# Altium PCB UmTRXv21.PcbDoc (part 10 of 19)
Units mm, origin at the board's own origin, x right, y up, seen from the top; angles counter-clockwise.
Board outline 159.5 x 99.5 mm, 6 copper layers (Top Layer, GND, MidLayer1, Mid-Layer 2, InternalPlane2, Bottom Layer), stack 1.526 mm thick; 716 components, 578 nets, 2850 pads, 1402 vias.
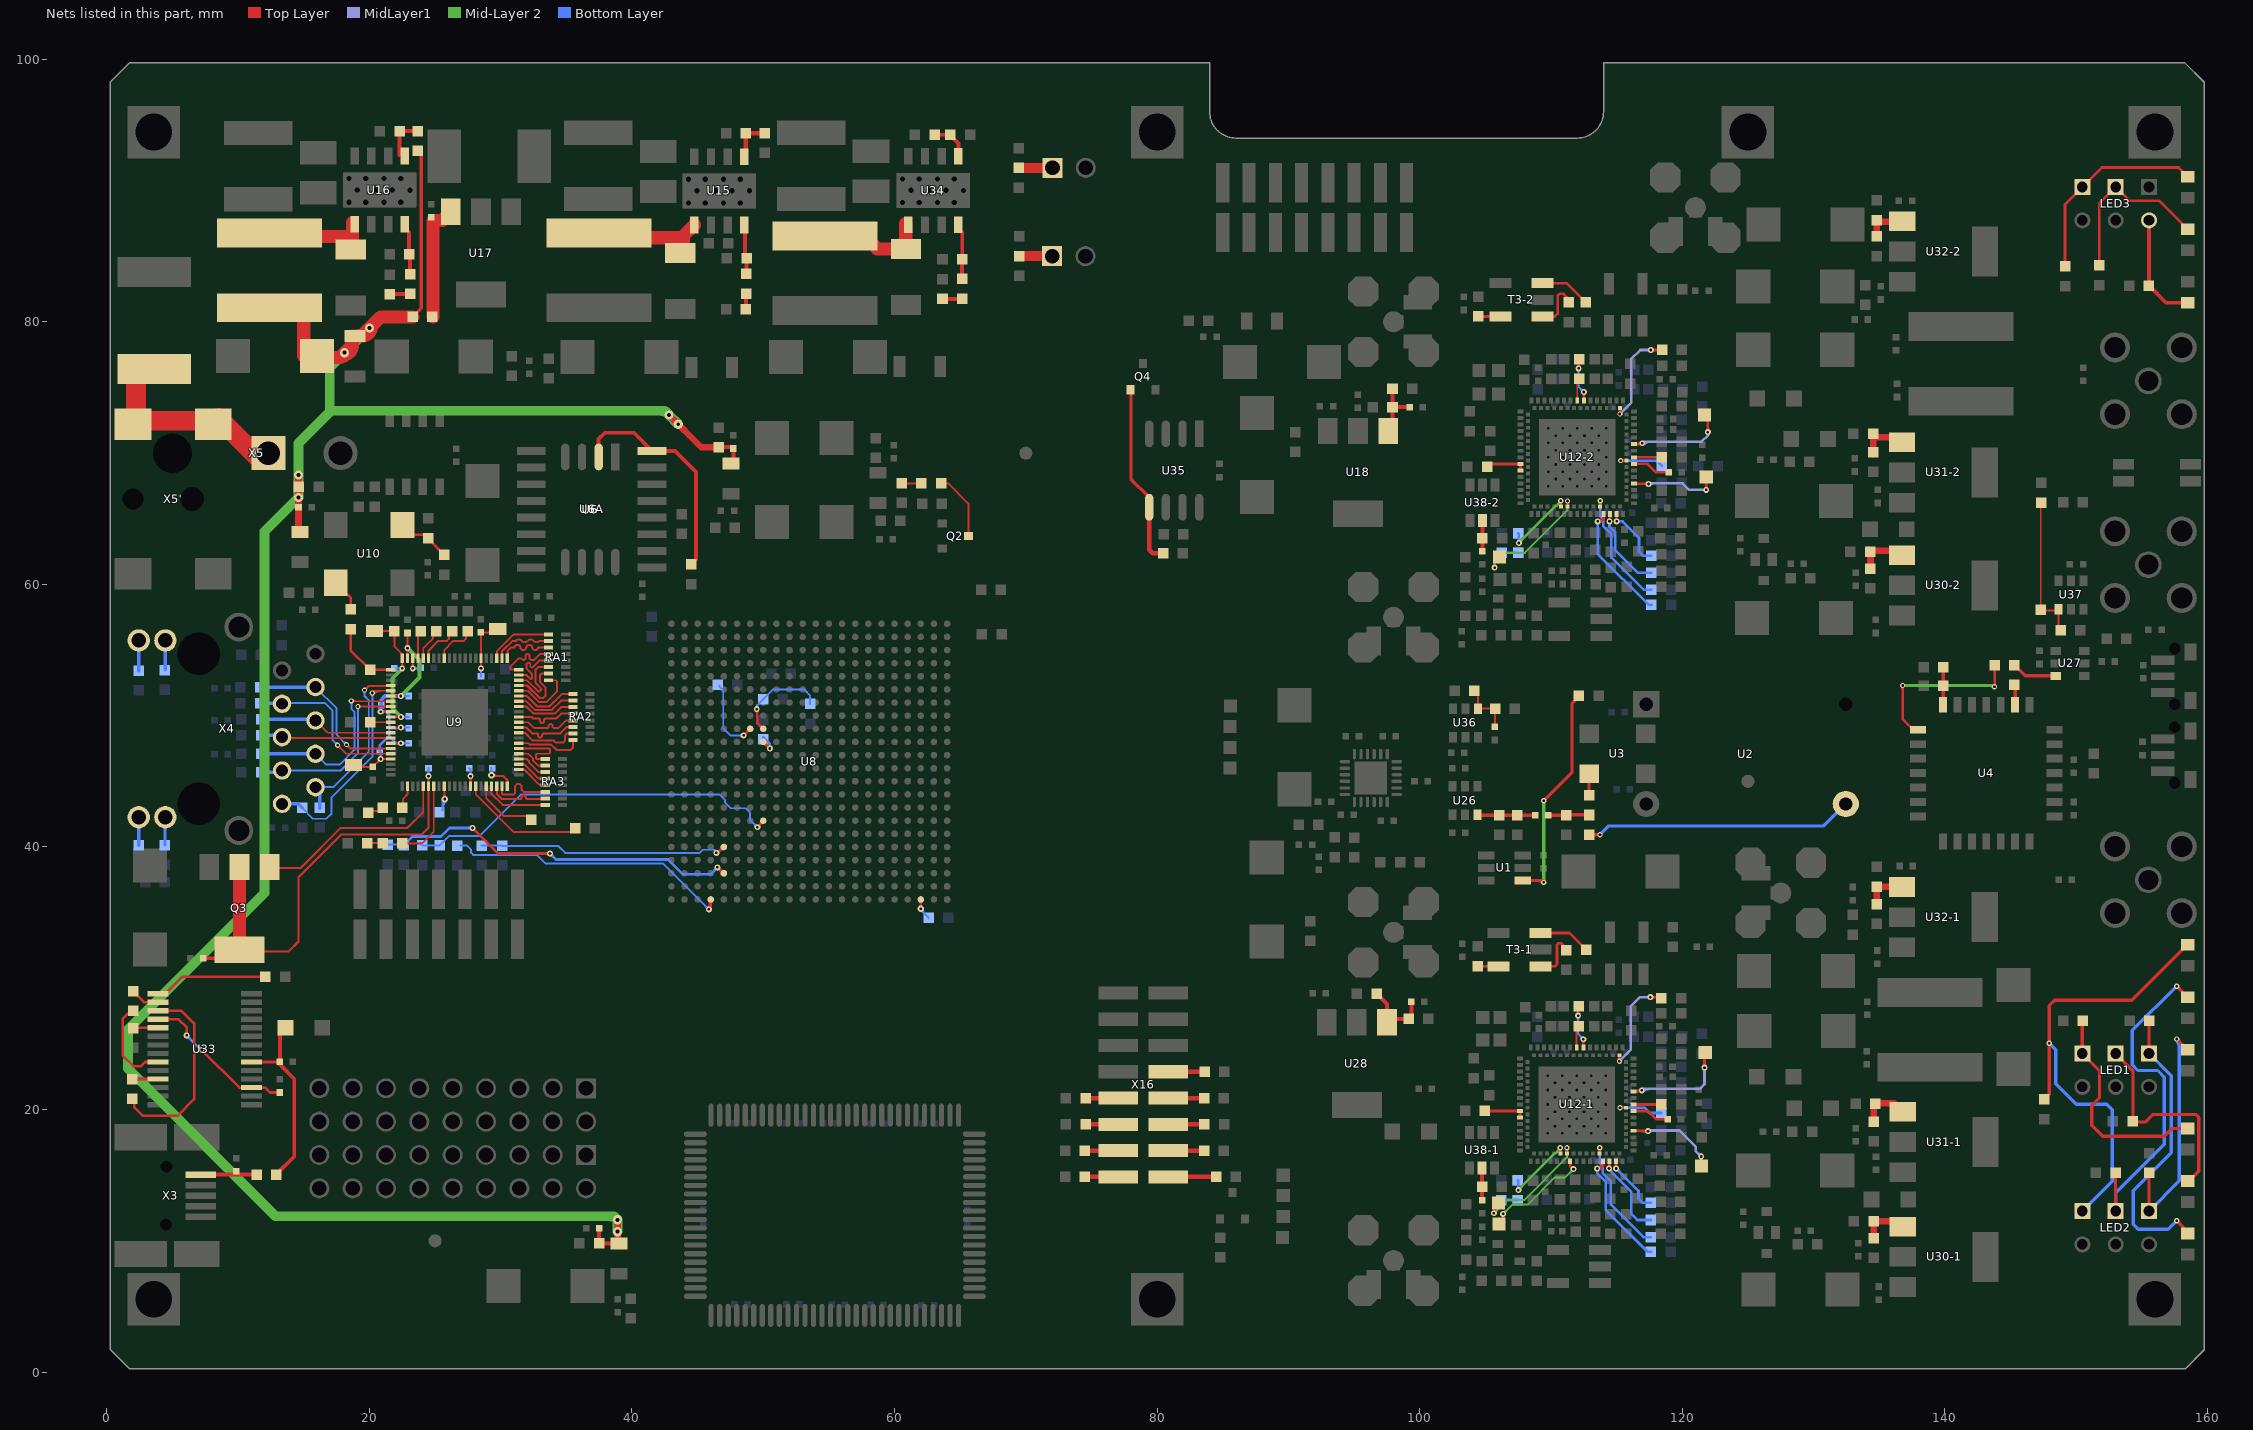
[diagram p14: the nets of this part, all layers, seen from the top]

## Via types
v1: diameter 0.45, hole 0.2, Top Layer to Bottom Layer, tented both sides, 440 vias
v2: diameter 0.5, hole 0.2, Top Layer to Bottom Layer, tented both sides, 423 vias
v3: diameter 0.7, hole 0.3, Top Layer to Bottom Layer, tented both sides, 257 vias
v4: diameter 0.4, hole 0.2, Top Layer to Bottom Layer, tented both sides, 197 vias
v5: diameter 0.8, hole 0.3, Top Layer to Bottom Layer, tented both sides, 63 vias
v6: diameter 0.6, hole 0.25, Top Layer to Bottom Layer, tented both sides, 16 vias
v7: diameter 0.6, hole 0.3, Top Layer to Bottom Layer, tented both sides, 4 vias
v8: diameter 1, hole 0.5, Top Layer to Bottom Layer, tented both sides, 2 vias

## Nets (pads, with @x,y where several pads share a name; then routed paths per layer and width w, separated by ;. In a path a pad name is that pad's centre, name@x,y a point inside that pad or via, vN(x,y) a via of type N, cw(c..) or ccw(c..) an arc to the next point about the centre after c; other vN are vias at no path point) (continued)
NetC112-1_1: C112-1.1 T3-1.4 | length 1.6
  Top Layer w0.15: C112-1.1@104.4,30.925 C112-1.1@104.42,30.905
  Top Layer w0.2: C112-1.1@104.42,30.905 T3-1.4@106,30.905
NetC112-2_1: C112-2.1 T3-2.4 | length 1.7
  Top Layer w0.2: C112-2.1@104.475,80.425 104.495,80.405 T3-2.4@106.15,80.405
NetC120_1: C120.1 R133.2 U17.3 | length 9
  Top Layer w1: R133.2@24.85,80.375 24.85,87.725 25.55,87.725 U17.3@26.2,88.375
NetC128_1: C128.1 C132.1 U15.4 | length 3.8
  Top Layer w0.3: U15.4@48.593,87.379 48.593,84.872 48.715,84.75 C132.1@48.715,83.625
NetC129_1: C129.1 C133.1 U16.4 | length 3.9
  Top Layer w0.3: U16.4@22.69,87.425 22.69,87.16 23.03,86.82 C129.1@23.03,85.15 ; C133.1@23.1,83.625 C129.1@23.1,85.12
NetC132_2: C132.2 R131.1 | length 1.2
  Top Layer w0.3: R131.1@48.675,80.95 C132.2@48.675,82.1 ; C132.2@48.725,82.15 C132.2@48.725,82.152
NetC133_2: C133.2 R132.1 | length 1.6
  Top Layer w0.3: R132.1@21.53,82.125 C133.2@23.1,82.125
NetC135_1: C135.1 R134.2 R135.1 U18.1 | length 4.7
  Top Layer w0.3: U18.1@97.925,71.425 R134.2@97.925,73.5 C135.1@99.225,73.5 ; R135.1@97.925,75 R135.1@97.925,74.9 97.925,73.75 R134.2@97.975,73.7
NetC137_1: C137.1 C140.1 C143.1 C144.1 C145.1 C151.1 C152.1 C153.1 L37.2 L41.1 L42.1 L43.1 R133.1 R137.1 | length 187.7
  Top Layer w0.25: R133.1@23.3,80.375 23.95,81.025 23.95,92.75 R137.1@23.675,93.025
  Top Layer w0.3: C145.1@37.5,10.95 C153.1@37.5,9.8 L43.1@39,9.8 ; C151.1@46.625,70.45 47.675,70.45 C143.1@47.725,70.4 ; L41.1@47.525,69.2 47.725,69.4 C143.1@47.725,70.35
  Top Layer w0.5: L42.1@14.6,64.075 v3(14.6,66.625) v3(14.6,68.325) ; v3@38.9,11.4 v3(38.9,10.7) 38.9,9.9 L43.1@39,9.8 ; v3(42.825,72.9) 45.275,70.45 C151.1@46.275,70.45
  Top Layer w1: L37.2@11.6,81.25 14.85,81.25 15,81.1 C140.1@15,77.4 ; C140.1@15.775,77.275 17.675,77.275 ccw(c17.675,77.939) v3@18.224,77.566 ; 17.557,77.275 ccw(c17.557,78.193) 18.206,77.544 ccw(c17.014,78.736) C137.1@18.7,78.736 ; v3@17.9,77.4 18.7,78.2 ; v3@18.13,77.503 ccw(c17.989,78.2) 18.7,78.2 ; C137.1@18.914,78.925 ccw(c18.914,80.611) v3@20.106,79.419 ; v3@20.146,79.489 cw(c19.425,79.667) C137.1@19.425,78.925 ; R133.1@23.3,80.375 20.875,80.375 C137.1@19.425,78.925 ; 18.7,78.2 18.7,78.925 C137.1@18.9,78.925 C137.1@19.425,78.925
  Mid-Layer 2 w0.5: v3(14.6,66.625) v3(14.6,68.325) ; 16.975,73.125 16.975,73.225 ; v3(18.1,77.65) v3@18.125,77.65
  Mid-Layer 2 w0.75: 16.975,73.125 14.6,70.75 v3(14.6,68.325) v3(14.6,66.625) 12,64.025 12,36.5 1.6,26.1 1.6,23.125 12.85,11.875 38.625,11.875 v3(38.9,11.6) v3(38.9,10.7) ; v3(18.1,77.65) 16.975,76.525 16.975,73.225 42.5,73.225 v3(42.825,72.9) v3(43.525,72.2) ; v3@18.125,77.65 v3(20,79.525) ; 38.296,11.875 cw(c38.296,10.996) v3@38.918,11.618 ; 42.101,73.225 cw(c42.101,72.176) v3@42.843,72.918
NetC146-1_2: C146-1.2 U12-1.71 | length 2.9
  Top Layer w0.2: U12-1.71@116.282,19.888 117.387,19.888 118.025,19.25 C146-1.2@118.9,19.25
NetC146-2_2: C146-2.2 U12-2.71 | length 2.9
  Top Layer w0.2: U12-2.71@116.321,69.18 117.345,69.18 117.975,68.55 C146-2.2@118.95,68.55
NetC214_2: C214.2 C236.1 C237.1 C238.1 C239.1 C240.1 C241.1 C242.1 C243.1 C244.1 C245.1 C280.1 C284.1 C285.1 C286.2 C287.2 Q3.2 Q3.4 U9.6 U9.19 U9.20 U9.27 U9.30 U9.33 U9.36 U9.39 U9.48 U9.56 U9.63 | length 81.7
  Top Layer w0.1: U9.63@30.5,44.625 U9.63@30.5,44.975
  Top Layer w0.15: Q3.4@10.1,32.85 10.9,32.05 13.85,32.05 14.6,32.8 14.6,37.7 17.85,40.95 24,40.95 24.5,41.45 U9.48@24.5,44.625 v1(24.5,45.4) ; C285.1@18.8,46.05 18.85,46.1 C287.2@20.25,46.1 v1(20.85,46.7) U9.39@21.625,46.7 ; v1@20.7,46.7 cw(c20.338,46.7) 20.594,46.444 cw(c20.85,46.188) v1@20.85,46.55 ; v1(20.85,50.3) U9.30@21.625,50.3 ; v1@20.956,46.594 cw(c21.212,46.338) 21.212,46.7 cw(c21.212,47.062) v1@20.956,46.806 ; v1@20.956,50.194 cw(c21.212,49.938) 21.212,50.3 cw(c21.212,50.662) v1@20.956,50.406 ; U9.36@21.625,47.9 v1(22.4,47.9) ; U9.33@21.625,49.1 v1(22.4,49.1) ; U9.27@21.625,51.5 v1(22.4,51.5) ; v1@22.294,47.794 ccw(c22.038,47.538) 22.038,47.9 ccw(c22.038,48.262) v1@22.294,48.006 ; v1@22.294,48.994 ccw(c22.038,48.738) 22.038,49.1 ccw(c22.038,49.462) v1@22.294,49.206 ; v1@22.294,51.394 ccw(c22.038,51.138) 22.038,51.5 ccw(c22.038,51.862) v1@22.294,51.606 ; v1@22.794,55.044 cw(c22.538,54.788) 22.9,54.788 cw(c23.262,54.788) v1@23.006,55.044 ; v1@22.794,55.256 ccw(c22.538,55.512) 22.9,55.512 ccw(c23.262,55.512) v1@23.006,55.256 ; U9.20@22.9,54.375 v1(22.9,55.15) C240.1@22.9,56.3 ; v1@23.194,53.706 ccw(c22.938,53.962) 23.3,53.962 ccw(c23.662,53.962) v1@23.406,53.706 ; v1(23.3,53.6) U9.19@23.3,54.375 ; v1@24.394,45.294 cw(c24.138,45.038) 24.5,45.038 cw(c24.862,45.038) v1@24.606,45.294 ; v1@27.594,45.294 cw(c27.338,45.038) 27.7,45.038 cw(c28.062,45.038) v1@27.806,45.294 ; U9.56@27.7,44.625 v1(27.7,45.4) ; v1@28.394,53.706 ccw(c28.138,53.962) 28.5,53.962 ccw(c28.862,53.962) v1@28.606,53.706 ; v1(28.5,53.6) U9.6@28.5,54.375 28.5,56.25 28.4,56.35 C286.2@28.475,56.35 29.4,56.35 C284.1@29.65,56.6 ; v2(29.3,45.45) 29.3,45.4 30.199,45.4 30.274,45.325 ; v2@29.424,45.326 cw(c29.602,45.148) 29.602,45.4 ; v2@29.424,45.574 ccw(c29.843,45.993) 29.843,45.4 ; 30.275,45.325 30.5,45.1 U9.63@30.5,44.975
  Top Layer w0.3: C214.2@7.35,31.525 Q3.4@8.55,31.525
  Top Layer w1: Q3.4@10.1,32.175 10.1,32.85 Q3.2@10.1,38.475
  Mid-Layer 2 w0.3: v1(22.4,51.5) 23.8,52.9 23.8,54.25 v1(22.9,55.15)
  Bottom Layer w0.15: v1@20.744,46.806 ccw(c20.488,47.062) 20.85,47.062 ccw(c21.212,47.062) v1@20.956,46.806 ; v1@20.744,50.406 ccw(c20.488,50.662) 20.85,50.662 ccw(c21.212,50.662) v1@20.956,50.406 ; C245.1@20.8,47.3 20.85,47.25 v1(20.85,46.7) ; v1(20.85,50.3) 20.85,50.75 C242.1@20.9,50.8 ; v1(22.4,47.9) C244.1@23,47.9 ; v1(22.4,49.1) C243.1@23,49.1 ; v1(22.4,51.5) C241.1@23,51.5 ; v1@22.506,47.794 cw(c22.762,47.538) 22.762,47.9 cw(c22.762,48.262) v1@22.506,48.006 ; v1@22.506,48.994 cw(c22.762,48.738) 22.762,49.1 cw(c22.762,49.462) v1@22.506,49.206 ; v1@22.506,51.394 cw(c22.762,51.138) 22.762,51.5 cw(c22.762,51.862) v1@22.506,51.606 ; v1(23.3,53.6) 23.85,53.6 C237.1@23.9,53.65 ; v1@23.406,53.494 cw(c23.662,53.238) 23.662,53.6 cw(c23.662,53.962) v1@23.406,53.706 ; v1@24.394,45.506 ccw(c24.138,45.762) 24.5,45.762 ccw(c24.862,45.762) v1@24.606,45.506 ; v1(24.5,45.4) C238.1@24.5,46 ; v1@27.594,45.506 ccw(c27.338,45.762) 27.7,45.762 ccw(c28.062,45.762) v1@27.806,45.506 ; C239.1@27.6,46 27.7,45.9 v1(27.7,45.4) ; v1@28.394,53.494 cw(c28.138,53.238) 28.5,53.238 cw(c28.862,53.238) v1@28.606,53.494 ; C236.1@28.5,53 v1(28.5,53.6) ; v2@29.176,45.574 ccw(c28.878,45.872) 29.3,45.872 ccw(c29.723,45.873) v2@29.424,45.574 ; v2(29.3,45.45) C280.1@29.3,46.05
  Bottom Layer w0.2: C245.1@20.8,47.3 20.8,47.75 21.5,48.45 ; v1(20.85,50.3) 21.25,50.3 21.5,50.05 21.5,49.05 ; v1@20.938,50.212 cw(c21.152,49.998) 21.152,50.3 cw(c21.152,50.602) v1@20.938,50.388 ; 21.978,49.05 ccw(c21.978,49.522) v1@22.312,49.188 ; v1@22.312,47.812 ccw(c22.098,47.598) 22.098,47.9 ccw(c22.098,48.202) v1@22.312,47.988 ; v1(22.4,47.9) 22.05,47.9 21.5,48.45 ; v1(22.4,49.1) 22.35,49.05 21.5,49.05 ; 21.5,48.45 21.5,49.05
  Bottom Layer w0.3: C242.1@20.9,50.8 20.9,51.2 21.2,51.5 v1(22.4,51.5)
NetC266_1: C266.1 C267.1 U34.4 | length 4.3
  Top Layer w0.3: U34.4@64.855,87.395 64.855,87.095 65.153,86.797 C266.1@65.153,84.747 ; C266.1@65.103,84.797 C266.1@65.15,84.75 C267.1@65.15,83.325
NetC267_2: C267.2 R169.1 | length 1.5
  Top Layer w0.3: R169.1@63.65,81.75 C267.2@65.15,81.75
NetC278_1: C278.1 R5.2 R8.1 U28.1 | length 5.7
  Top Layer w0.3: R8.1@96.707,28.854 97.507,28.054 U28.1@97.507,26.654 97.757,26.904 R5.2@99.157,26.904 99.357,27.104 C278.1@99.357,28.204
NetC281_1: C281.1 C282.1 C283.1 L45.2 U9.21 U9.31 | length 13.1
  Top Layer w0.15: C283.1@20.4,56.45 L45.2@21.9,56.45 21.9,55.275 22.5,54.675 U9.21@22.5,54.375 v1(22.5,53.6) ; U9.31@21.625,49.9 v1(22.4,49.9) ; v1@22.294,49.794 ccw(c22.038,49.538) 22.038,49.9 ccw(c22.038,50.262) v1@22.294,50.006 ; v1@22.394,53.706 ccw(c22.138,53.962) 22.5,53.962 ccw(c22.862,53.962) v1@22.606,53.706
  Mid-Layer 2 w0.3: v1(22.4,49.9) 21.75,50.55 21.75,52.85 v1(22.5,53.6)
  Bottom Layer w0.15: C281.1@21.9,53.6 v1(22.5,53.6) ; v1@22.394,53.494 ccw(c22.138,53.238) 22.138,53.6 ccw(c22.138,53.962) v1@22.394,53.706 ; v1(22.4,49.9) C282.1@23,49.9 ; v1@22.506,49.794 cw(c22.762,49.538) 22.762,49.9 cw(c22.762,50.262) v1@22.506,50.006
NetC289_1: C289.1 R156.2 R157.1 U26.3 | length 4.4
  Top Layer w0.25: U26.3@104.402,42.44 104.417,42.425 R156.2@106.05,42.425 R157.1@107.425,42.425 C289.1@108.8,42.425
NetC289_2: C289.2 R6.2 R7.2 R12.2 | length 3.1
  Top Layer w0.25: C289.2@109.8,42.425 R12.2@111.175,42.425 111.2,42.45 R7.2@112.9,42.45
NetC296_2: C296.2 R154.1 R155.1 U36.4 | length 4.2
  Top Layer w0.15: R154.1@104.151,51.9 104.426,51.625 U36.4@104.426,50.535 105.74,50.535 R155.1@105.75,50.525 105.75,49.175 C296.2@105.725,49.15
NetC297_2: C297.2 L46.1 X3.1 | length 4
  Top Layer w0.3: X3.1@7.4,15.05 L46.1@11.4,15.05
NetC298_1: C298.1 C299.1 L46.2 U33.20 | length 14.5
  Top Layer w0.2: U33.20@11,23.625 C299.1@13.175,23.625
  Top Layer w0.3: L46.2@12.9,15.05 14.275,16.425 14.275,22.325 13.175,23.425 C299.1@13.175,23.625 ; C299.1@13.175,23.75 13.175,25.875 C298.1@13.625,26.325
NetC300_1: C300.1 U33.4 U33.17 | length 13.7
  Top Layer w0.2: U33.4@3.9,26.875 5.475,26.875 6.075,26.275 v1(6.075,25.65) ; v1@5.987,25.738 ccw(c5.773,25.952) 6.075,25.952 ccw(c6.377,25.952) v1@6.163,25.738 ; v1@7.225,24.425 cw(c7.225,24.123) 7.438,24.337 cw(c7.652,24.55) v1@7.35,24.55 ; v1(7.225,24.55) 10.1,21.675 U33.17@11,21.675 12.05,21.675 12.425,21.3 C300.1@13.175,21.3
  Bottom Layer w0.2: v1@6.075,25.525 cw(c6.075,25.223) 6.288,25.437 cw(c6.502,25.65) v1@6.2,25.65 ; v1(6.075,25.65) 7.175,24.55 v1(7.225,24.55) ; 6.926,24.799 ccw(c7.225,25.097) v1@7.225,24.675
NetC301-1_1: C301-1.1 R176-1.2 U38-1.5 | length 2.4
  Top Layer w0.3: C301-1.1@104.75,13.1 R176-1.2@104.75,14.125 U38-1.5@104.75,15.55
NetC301-2_1: C301-2.1 R176-2.2 U38-2.5 | length 2.3
  Top Layer w0.3: C301-2.1@104.775,62.525 R176-2.2@104.775,63.525 U38-2.5@104.775,64.875
NetD1_1: D1.1 L36.1 U15.1 | length 8.7
  Top Layer w1: L36.1@37.575,86.775 37.95,86.4 43.925,86.4 ; D1.1@43.925,85.485 43.925,86.4 ; U15.1@44.745,87.37 43.925,86.55 43.925,86.4
NetD2_1: D2.1 L37.1 U16.1 | length 9.1
  Top Layer w1: L37.1@11.6,86.75 11.85,86.5 18.7,86.5 ; D2.1@18.7,85.7 18.7,86.5 ; U16.1@18.7,87.575 18.7,86.5
NetD3_1: D3.1 L35.1 U34.1 | length 8.9
  Top Layer w1: L35.1@54,86.8 54.4,86.4 57.825,86.4 58.665,85.56 60.235,85.56 60.85,86.175 U34.1@60.85,87.475
NetF1_1: F1.1 X5'.1 X5.1 | length 15.5
  Top Layer w1.5: X5'.1@2.225,72.475 X5'.1@8.5,72.475 ; X5'.1@2.225,72.675 2.225,76.275 3.725,76.275 F1.1@3.6,76.4 ; X5'.1@8.5,72.675 X5.1@11.325,69.85
NetL32-1_2: L32-1.2 T3-1.1 | length 4
  Top Layer w0.2: T3-1.1@109.2,33.445 111.405,33.445 L32-1.2@112.675,32.175
NetL32-2_2: L32-2.2 T3-2.1 | length 3.9
  Top Layer w0.2: T3-2.1@109.35,82.945 111.18,82.945 L32-2.2@112.65,81.475
NetL33-1_2: L33-1.2 T3-1.3 | length 3.8
  Top Layer w0.2: T3-1.3@109.2,30.905 110.305,30.905 110.45,31.05 110.45,32.541 110.584,32.675 110.75,32.675 L33-1.2@111.225,32.2
NetL33-2_2: L33-2.2 T3-2.3 | length 3.9
  Top Layer w0.2: T3-2.3@109.35,80.405 110.28,80.405 110.525,80.65 110.525,82 110.65,82.125 110.95,82.125 111.35,81.725 L33-2.2@111.35,81.475
NetLED1_1: LED1.1 LED1A'.1 R33.1 | length 22.5
  Top Layer w0.25: LED1.1@155.55,24.27 155.55,26.75 R33.1@155.575,26.775 ; v4(157.65,11.525) 158.5,10.675 LED1A'.1@158.5,10.55
  Bottom Layer w0.25: LED1.1@155.55,24.27 157.25,22.57 157.25,16.725 154.35,13.825 154.35,11.25 154.725,10.875 157,10.875 v4(157.65,11.525)
NetLED1_2: LED1.2 LED1B'.1 R34.1 | length 16.3
  Top Layer w0.25: LED1.2@153.01,24.27 154.325,22.955 154.325,19.05 155.275,19.05 155.85,19.625 159.1,19.625 159.325,19.4 159.325,15.3 158.575,14.55 LED1B'.1@158.5,14.55
NetLED1_3: LED1.3 LED1C'.1 R35.1 | length 16.7
  Top Layer w0.25: R35.1@150.5,26.775 150.47,26.745 LED1.3@150.47,24.27 151.775,22.965 151.775,20.9 151.175,20.3 151.175,18.8 152.005,17.97 156.695,17.97 157.275,18.55 LED1C'.1@158.5,18.55
NetLED2_1: LED2.1 LED2A'.1 R36.1 | length 19.1
  Top Layer w0.25: LED2.1@155.55,12.27 R36.1@155.55,15.175 ; v4@157.65,25.3 cw(c157.65,25.059) 157.821,25.229 ; v4(157.65,25.375) 157.675,25.375 LED2A'.1@158.5,24.55
  Bottom Layer w0.25: LED2.1@155.55,12.27 157.85,14.57 157.85,25.175 v4(157.65,25.375) ; v4@157.597,25.322 cw(c156.986,24.711) 157.85,24.711
NetLED2_2: LED2.2 LED2B'.1 R37.1 | length 26.1
  Top Layer w0.25: R37.1@153,15.175 153,12.28 LED2.2@153.01,12.27 ; v4(157.65,29.4) LED2B'.1@158.5,28.55
  Bottom Layer w0.25: LED2.2@153.01,12.27 153.01,13.66 156.7,17.35 156.7,22.475 156.2,22.975 154.7,22.975 154.275,23.4 154.275,26.025 v4(157.65,29.4)
NetLED2_3: LED2.3 LED2C'.1 R38.1 | length 36.9
  Top Layer w0.25: R38.1@147.575,20.775 147.95,21.15 v4(147.95,25.05) 147.95,27.925 148.35,28.325 154.225,28.325 158.45,32.55 LED2C'.1@158.5,32.55
  Bottom Layer w0.25: v4(147.95,25.05) 148.437,24.562 148.437,21.963 150,20.4 152.344,20.4 152.75,19.994 152.75,14.55 LED2.3@150.47,12.27
NetLED3_2: LED3.2 LED3B'.1 R13.1 | length 13.3
  Top Layer w0.2: R13.1@151.75,84.3 151.75,89.01 LED3.2@153.01,90.27 154.055,89.225 156.325,89.225 LED3B'.1@158.5,87.05
NetLED3_3: LED3.3 LED3C'.1 R162.2 | length 15.5
  Top Layer w0.2: R162.2@149.15,84.225 149.15,88.95 LED3.3@150.47,90.27 151.95,91.75 157.8,91.75 LED3C'.1@158.5,91.05
NetLED3_6: LED3.6 LED3A'.2 R1.1 | length 8.5
  Top Layer w0.3: LED3.6@155.55,87.73 155.55,82.75 156.85,81.45 LED3A'.2@158.5,81.45
NetLED4_1: LED4.1 Q2.3 | length 5.2
  Top Layer w0.15: LED4.1@63.55,67.7 64.075,67.7 65.625,66.15 Q2.3@65.625,63.675
NetLED4_2: LED4.2 R29.2 | length 1.5
  Top Layer w0.15: R29.2@60.55,67.7 LED4.2@62.05,67.7
NetLED5_1: LED5.1 R55.1 | length 1.1
  Top Layer w0.15: LED5.1@19.9,42.6 20.05,42.75 20.75,42.75 R55.1@20.9,42.9
NetLED6_1: LED6.1 R57.1 | length 1.2
  Top Layer w0.15: LED6.1@19.85,40.3 R57.1@21,40.3
NetQ3_1: Q3.1 U9.47 | length 15.5
  Top Layer w0.15: Q3.1@12.4,38.475 12.475,38.4 14.775,38.4 17.825,41.45 22.9,41.45 24.1,42.65 U9.47@24.1,44.625
NetQ4_1: Q4.1 R174.2 U35.5 | length 14.1
  Top Layer w0.25: Q4.1@78,74.85 78,68.025 79.395,66.63 U35.5@79.395,65.878
  Top Layer w0.35: U35.5@79.395,65.878 79.395,62.63 79.65,62.375 R174.2@80.6,62.375
NetR4_1: R4.1 U1.1 | length 17.6
  Top Layer w0.25: U1.1@107.835,37.449 109.301,37.449 v4(109.45,37.3) ; 108.909,37.449 cw(c108.909,36.759) v4@109.397,37.247 ; v4(109.45,43.525) 111.6,45.675 111.6,50.95 112.15,51.5 R4.1@112.125,51.525
  Mid-Layer 2 w0.25: v4(109.45,37.3) v4(109.45,43.525)
NetR6_1: R6.1 U2.8 | length 20.5
  Top Layer w0.25: R6.1@112.9,40.925 v4(113.725,40.925)
  Bottom Layer w0.25: v4(113.725,40.925) 114.4,41.6 130.775,41.6 U2.8@132.45,43.275
NetR7_1: R7.1 U3.3 | length 1.6
  Top Layer w0.25: R7.1@112.9,43.95 U3.3@112.9,45.575
NetR9_1: R9.1 U4.15 | length 14.2
  Top Layer w0.2: v4@136.704,52.229 cw(c136.534,52.059) 136.775,52.059 cw(c137.016,52.059) v4@136.846,52.229 ; v4(136.775,52.3) 136.775,49.75 137.6,48.925 U4.15@137.95,48.925 ; v4@143.704,52.271 ccw(c143.473,52.502) 143.8,52.502 ; v4(143.775,52.2) 143.8,52.225 R9.1@143.8,53.85
  Mid-Layer 2 w0.2: v4(136.775,52.3) 143.675,52.3 v4(143.775,52.2) ; v4@136.846,52.229 cw(c137.016,52.059) 137.016,52.3 cw(c137.016,52.541) v4@136.846,52.371 ; 143.292,52.3 cw(c143.292,51.717) v4@143.704,52.129
NetR9_2: R9.2 R10.2 U27.3 | length 3.5
  Top Layer w0.25: R9.2@145.3,53.85 146.113,53.037 U27.3@148.445,53.037
NetR10_1: R10.1 U4.9 | length 1.5
  Top Layer w0.25: R10.1@145.3,52.35 145.35,52.3 U4.9@145.35,50.825
NetR14_2: R14.2 R18.2 U8.C18 | length 32.1
  Top Layer w0.2: v1@27.85,41.325 cw(c27.85,41.023) 28.063,41.237 cw(c28.277,41.45) v1@27.975,41.45 ; v1(27.85,41.45) 29.8,39.5 v1(33.75,39.5) ; v1@33.662,39.412 ccw(c33.448,39.198) 33.448,39.5 ccw(c33.448,39.802) v1@33.662,39.588 ; v1@46.5,38.325 cw(c46.5,37.903) 46.799,38.201 ; v1(46.5,38.45) 46.55,38.5 46.55,38.45 U8.C18@47,38 ; v1@46.573,38.332 cw(c46.27,37.808) U8.C18@46.855,37.962 ; 46.762,38.223 cw(c46.668,38.06) U8.C18@46.852,38.027 ; U8.C18@46.85,38 ccw(c46.488,38) 46.744,38.256 ccw(c47,38.512) U8.C18@47,38.15
  Bottom Layer w0.15: R18.2@21.388,40.171 22.565,40.171 R14.2@22.604,40.133
  Bottom Layer w0.2: R14.2@22.604,40.133 23.271,40.8 25.45,40.8 26.1,41.45 v1(27.85,41.45) ; v1@27.762,41.362 ccw(c27.548,41.148) 27.548,41.45 ccw(c27.548,41.752) v1@27.762,41.538 ; v1@33.75,39.375 cw(c33.75,39.073) 33.963,39.287 cw(c34.177,39.5) v1@33.875,39.5 ; v1(33.75,39.5) 34.2,39.05 42.75,39.05 43.886,37.914 45.964,37.914 v1(46.5,38.45) ; v1@46.375,38.45 cw(c46.073,38.45) 46.287,38.237 cw(c46.5,38.023) v1@46.5,38.325
NetR15_2: R15.2 R20.1 U8.G15 | length 31.7
  Top Layer w0.15: v1(49.55,41.5) 49.55,41.55 U8.G15@50,42 ; v1@49.55,41.65 ccw(c49.55,41.891) 49.721,41.721 ; v1@49.7,41.5 cw(c50.183,41.5) U8.G15@49.841,41.841 ; v1@49.7,41.596 cw(c50.114,41.357) U8.G15@50.03,41.828 ; 49.809,41.784 ccw(c49.614,41.897) U8.G15@49.831,41.955 ; U8.G15@49.825,42 cw(c49.403,42) 49.701,41.701 cw(c50,41.403) U8.G15@50,41.825
  Bottom Layer w0.15: R20.1@24.036,40.12 R15.2@25.341,40.12 26.071,40.85 28.4,40.85 31.55,44 46.65,44 47.1,43.55 47.1,43.384 47.534,42.95 48.666,42.95 49,42.616 49,42.05 v1(49.55,41.5) ; v1@49.4,41.5 ccw(c49.038,41.5) 49.294,41.756 ccw(c49.55,42.012) v1@49.55,41.65
NetR16_2: R16.2 U8.A19 | length 25.2
  Top Layer w0.15: v1@45.744,35.356 ccw(c45.126,35.974) U8.A19@46,35.974 ; U8.A19@45.848,35.912 cw(c45.463,35.69) 45.893,35.575 ; v1@45.862,35.399 ccw(c45.877,35.573) 46,35.45 ; U8.A19@45.876,35.876 cw(c45.578,35.578) 46,35.578 cw(c46.422,35.578) U8.A19@46.124,35.876 ; 45.901,35.606 cw(c46.287,35.502) U8.A19@46.087,35.848 ; v1@45.982,35.322 cw(c46.076,35.374) 46,35.45 ; 46,35.612 cw(c45.488,35.612) v1(45.85,35.25) 45.85,35.3 46,35.45 ; U8.A19@46,36 46,35.45
  Bottom Layer w0.15: R16.2@26.94,40.12 26.959,40.1 27.45,40.1 27.75,39.8 27.75,39.55 27.9,39.4 32.75,39.4 33.4,38.75 42.35,38.75 v1(45.85,35.25) ; v1@45.7,35.25 ccw(c45.338,35.25) 45.594,35.506 ccw(c45.85,35.762) v1@45.85,35.4
NetR17_2: R17.2 R19.2 U8.E18 | length 21.6
  Top Layer w0.15: v1@46.428,39.702 ccw(c46.428,40.364) U8.E18@46.896,39.896 ; v1@46.58,39.713 ccw(c46.313,40.176) U8.E18@46.83,40.043 ; 46.64,39.64 cw(c46.428,39.851) v1(46.428,39.552) 46.43,39.55 46.55,39.55 U8.E18@47,40 ; 46.733,39.802 cw(c46.879,39.549) U8.E18@46.955,39.831 ; U8.E18@46.825,40 cw(c46.403,40) 46.701,39.701 cw(c47,39.403) U8.E18@47,39.825
  Bottom Layer w0.15: R17.2@28.55,40.1 R19.2@30.1,40.1 30.125,40.075 34.375,40.075 34.9,39.55 45.145,39.55 45.22,39.625 45.384,39.789 46.261,39.789 ; v1@46.292,39.615 ccw(c46.151,39.68) 46.261,39.789 ; 46.292,39.758 ccw(c46.428,39.895) v1@46.428,39.702 ; v1(46.428,39.552) 46.498,39.552 46.261,39.789
NetR21_2: R21.2 U8.P16 | length 7.6
  Top Layer w0.15: v1(48.5,48.5) U8.P16@49,49 ; v1@48.5,48.65 ccw(c48.5,49.012) 48.756,48.756 ccw(c49.012,48.5) v1@48.65,48.5 ; U8.P16@48.825,49 cw(c48.403,49) 48.701,48.701 cw(c49,48.403) U8.P16@49,48.825
  Bottom Layer w0.15: R21.2@46.65,52.25 46.95,51.95 46.95,49.05 47.5,48.5 v1(48.5,48.5) ; v1@48.394,48.394 ccw(c48.138,48.138) 48.138,48.5 ccw(c48.138,48.862) v1@48.394,48.606
NetR23_2: R23.2 U8.N15 | length 3.3
  Top Layer w0.2: U8.N15@50,47.85 cw(c50,47.488) 50.256,47.744 cw(c50.512,48) U8.N15@50.15,48 ; U8.N15@50,48 v1(50.5,47.5) ; v1@50.375,47.5 ccw(c50.073,47.5) 50.287,47.713 ccw(c50.5,47.927) v1@50.5,47.625
  Bottom Layer w0.2: R23.2@50,48.35 50.5,47.85 v1(50.5,47.5) ; v1@50.412,47.588 ccw(c50.198,47.802) 50.5,47.802 ccw(c50.802,47.802) v1@50.588,47.588
NetR24_2: R24.2 R67.2 U8.P15 | length 8.7
  Top Layer w0.2: v1@49.412,50.412 cw(c49.105,50.105) 49.539,50.105 ; v1(49.5,50.5) 49.539,50.461 49.539,49.461 U8.P15@50,49 ; U8.P15@49.85,49 ccw(c49.488,49) 49.744,49.256 ccw(c50,49.512) U8.P15@50,49.15
  Bottom Layer w0.15: v1@49.434,50.635 ccw(c49.353,50.801) 49.539,50.801 ; v1(49.5,50.5) 49.539,50.539 49.539,50.801 ; 49.539,50.769 ccw(c49.769,50.769) v1@49.606,50.606 ; R67.2@50,51.25 50.75,52 53.1,52 53.566,51.534 R24.2@53.566,50.896 ; R67.2@50.004,51.266 49.539,50.801
NetR41_1: R41.1 X4.13 | length 2.2
  Bottom Layer w0.25: X4.13@4.4,42.329 X4.13@4.46,42.269 4.425,42.234 R41.1@4.425,40.15
NetR42_1: R42.1 X4.12 | length 2.3
  Bottom Layer w0.25: R42.1@2.425,53.425 2.428,53.428 X4.12@2.428,55.731
NetR43_1: R43.1 X4.14 | length 2.1